# Allegro board pc051c_toplevel_209edited.brd (continued)
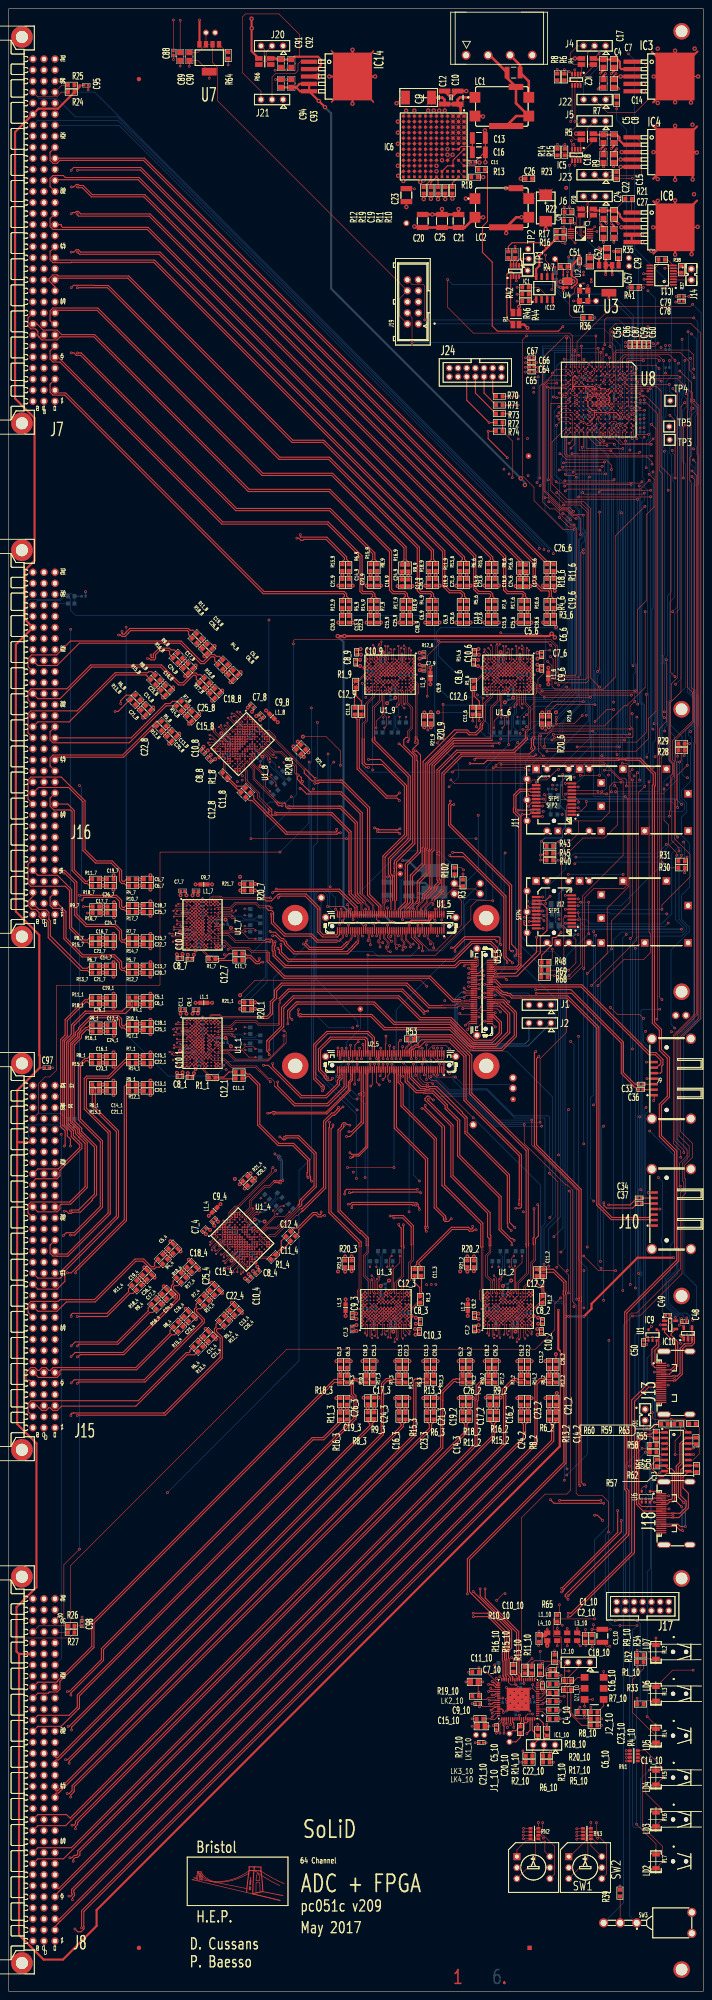
[diagram p0: board, top side]
## Routing (per net, layer and track width the routed paths; a pad name or vN(x,y) marks a point on that pad's centre or on a via; arc(x,y) is an arc through that point) (continued)
P1V8: length 68.3
  TOP w0.13: U1_6.G9 v4(115,299.75) U1_6.G10 v4(115,298.95) ; v4(48.65,218.15) U1_1.G10 v4(47.85,218.15) U1_1.G9 ; v4(115.05,161) U1_2.G10 v4(115.05,160.2) U1_2.G9 ; v4(87.85,298.95) U1_9.G10 v4(87.85,299.75) U1_9.G9 ; U1_7.G9 v4(47.85,245.4) U1_7.G10 v4(48.65,245.4) ; v4(56.63,175.83) U1_4.G10 v4(56.06,175.26) U1_4.G9 ; v4(56.68,284.17) U1_8.G10 v4(56.11,284.74) U1_8.G9 ; L4_10.1 v1(124.05,83.35) ; v4(86.9,161) U1_3.G10 v4(86.9,160.2) U1_3.G9 ; IC7.4 v1(135.5,404.95) ; C10_10.2 v1(122.15,82.8)
  TOP w0.25: R21_2.2 v2(105.65,169.1) ; R20_8.2 v2(67.99,284.03) ; L1_1.2 v2(46.85,227.45) ; L1_8.2 v2(61.98,292.02) ; L1_6.2 v2(124.3,300.75) ; R20_9.2 v2(95.75,290.85) ; R21_1.2 v2(56.75,227.55) ; R21_9.2 v2(97.25,290.85) ; R20_7.2 v2(56.75,253.3) ; R20_6.2 v2(122.9,290.77) ; L1_7.2 v2(46.85,254.7) ; R21_3.2 v2(77.5,169.1) ; R21_7.2 v2(56.75,254.8) ; R20_4.2 v2(56.77,187.14) ; L1_3.2 v2(77.6,159.2) ; L1_4.2 v2(48.78,181.13) ; R20_2.2 v2(107.15,169.1) ; L1_2.2 v2(105.75,159.2) ; R20_1.2 v2(56.75,226.05) ; 68.38,285.76 v2(69.05,285.09) ; L1_9.2 v2(97.15,300.75) ; R21_4.2 v2(55.71,188.2) ; R21_6.2 v2(124.4,290.85) ; R20_3.2 v2(79,169.1)
  TOP w0.5: C27.2 v1(139.4,402.45) ; C29.2 v1(137,402.45) ; v3(145.83,404.2) IC8.4 IC8.5 v3(145.9,402.5)
  TOP w1: L4_10.1 123.5,81.95 C10_10.2
  BOTTOM w0.25: v4(87.85,298.95) 87.95,298.85 C3_9.2 ; C4_4.2 56.06,175.33 v4(56.06,175.26) ; v4(56.63,175.83) 56.63,175.97 C3_4.2 ; v4(56.68,284.17) 56.82,284.17 C3_8.2 ; v4(48.65,218.15) 48.75,218.25 C3_1.2 ; C4_1.2 47.9,218.2 v4(47.85,218.15) ; C4_3.2 86.85,160.25 v4(86.9,160.2) ; v4(115.05,161) 114.95,161.1 C3_2.2 ; C3_6.2 115.1,298.85 v4(115,298.95) ; v4(56.11,284.74) 56.18,284.74 C4_8.2 ; v4(87.85,299.75) 87.9,299.7 C4_9.2 ; v4(115,299.75) 115.05,299.7 C4_6.2 ; C4_2.2 115,160.25 v4(115.05,160.2) ; v4(48.65,245.4) 48.75,245.5 C3_7.2 ; v4(86.9,161) 86.8,161.1 C3_3.2 ; v4(47.85,245.4) 47.9,245.45 C4_7.2
P1V8A: length 221.9
  TOP w0.13: U1_4.K3 v4(53.8,169.61) U1_4.L3 ; U1_4.K3 v4(54.37,170.17) U1_4.L4 v4(55.5,170.17) ; U1_4.K3 v4(53.23,170.17) ; U1_4.K3 v4(53.8,170.74) U1_4.K4 ; v4(111.8,303.75) U1_6.L4 v4(112.6,304.55) U1_6.K3 ; U1_2.L3 v4(117.45,154.6) U1_2.K3 ; v4(117.4,304.55) U1_6.E3 ; v4(117.4,304.55) U1_6.D4 v4(118.2,304.55) U1_6.D3 ; v4(117.4,304.55) U1_6.E4 v4(116.6,304.55) U1_6.E3 ; v4(117.4,304.55) U1_6.D3 ; U1_6.E3 v4(117.4,305.35) U1_6.D3 ; U1_7.E3 v4(42.25,247.8) U1_7.D3 ; U1_7.E3 v4(43.05,247.8) ; U1_7.E3 v4(43.05,247) U1_7.E4 v4(43.05,247.8) ; v4(84.5,155.4) U1_3.E4 v4(85.3,155.4) U1_3.E3 ; v4(84.5,155.4) U1_3.D4 v4(83.7,155.4) U1_3.D3 ; v4(84.5,155.4) U1_3.E3 ; v4(84.5,155.4) U1_3.D3 ; v4(43.05,220.55) U1_1.D4 v4(43.05,221.35) U1_1.D3 ; v4(43.05,220.55) U1_1.D3 ; v4(43.05,220.55) U1_1.E3 ; v4(43.05,220.55) U1_1.E4 v4(43.05,219.75) U1_1.E3 ; U1_1.D3 v4(42.25,220.55) U1_1.E3 ; U1_8.E3 v4(53.85,289.26) U1_8.E4 v4(54.42,289.83) ; U1_8.E3 v4(53.85,290.39) U1_8.D3 ; U1_8.E3 v4(54.42,289.83) ; U1_3.K4 v4(88.5,155.4) U1_3.K3 ; U1_2.K3 v4(116.65,154.6) ; U1_2.K3 v4(117.45,155.4) U1_2.L4 v4(118.25,156.2) ; U1_2.K3 v4(116.65,155.4) U1_2.K4 ; U1_2.D3 v4(112.65,154.6) U1_2.E3 ; U1_2.D3 v4(112.65,155.4) ; U1_2.D3 v4(111.85,155.4) U1_2.D4 v4(112.65,155.4) ; U1_3.K3 v4(89.3,155.4) U1_3.L4 v4(90.1,156.2) ; U1_3.K3 v4(88.5,154.6) ; U1_3.K3 v4(89.3,154.6) U1_3.L3 ; v4(90.25,304.55) U1_9.D3 ; v4(90.25,304.55) U1_9.E4 v4(89.45,304.55) U1_9.E3 ; v4(90.25,304.55) U1_9.E3 ; v4(90.25,304.55) U1_9.D4 v4(91.05,304.55) U1_9.D3 ; U1_9.D3 v4(90.25,305.35) U1_9.E3 ; U1_4.E3 v4(51.54,173) U1_4.E4 v4(50.97,173.57) ; U1_4.E3 v4(50.97,173.57) ; U1_4.E3 v4(50.41,173) U1_4.D3 ; U1_1.L3 v4(42.25,215.75) U1_1.K3 ; v4(112.65,155.4) U1_2.E3 ; v4(112.65,155.4) U1_2.E4 v4(113.45,155.4) U1_2.E3 ; U1_9.L3 v4(85.45,305.35) U1_9.K3 ; U1_3.E3 v4(84.5,154.6) U1_3.D3 ; U1_1.K4 v4(43.05,216.55) U1_1.K3 ; v4(50.97,173.57) U1_4.D4 v4(50.41,174.13) U1_4.D3 ; v4(50.97,173.57) U1_4.D3 ; U1_6.K3 v4(113.4,305.35) ; U1_6.K3 v4(112.6,305.35) U1_6.L3 ; U1_6.K3 v4(113.4,304.55) U1_6.K4 ; U1_8.K3 v4(51.02,286.43) U1_8.L4 v4(51.02,285.3) ; U1_8.K3 v4(51.59,287) U1_8.K4 ; U1_8.K3 v4(51.02,287.57) ; U1_8.K3 v4(50.46,287) U1_8.L3 ; U1_9.K3 v4(86.25,305.35) ; U1_9.K3 v4(86.25,304.55) U1_9.K4 ; U1_9.K3 v4(85.45,304.55) U1_9.L4 v4(84.65,303.75) ; U1_7.D3 v4(43.05,247.8) ; U1_7.D3 v4(43.05,248.6) U1_7.D4 v4(43.05,247.8) ; U1_1.K3 v4(43.05,215.75) U1_1.L4 v4(43.85,214.95) ; U1_1.K3 v4(42.25,216.55) ; v4(54.42,289.83) U1_8.D4 v4(54.98,290.39) U1_8.D3 ; v4(54.42,289.83) U1_8.D3 ; U1_7.K4 v4(43.05,243.8) U1_7.K3 ; U1_7.K3 v4(42.25,243) U1_7.L3 ; U1_7.K3 v4(42.25,243.8) ; U1_7.K3 v4(43.05,243) U1_7.L4 v4(43.85,242.2)
  TOP w0.25: C10_8.2 45.65,285.52 v2(45.86,285.52) ; v2(47.56,283.54) 47.17,283.15 C8_8.2 ; C8_7.2 42.65,237.95 v2(42.65,238.5) ; v2(80.95,304.95) 80.4,304.95 C8_9.2 ; C9_4.2 v2(48.21,177.1) ; v2(93.8,155) 94.35,155 C8_3.2 ; v2(46.38,175.19) 45.99,175.58 C7_4.2 ; C7_2.2 107.7,153.3 v2(108.25,153.3) ; v2(55.28,165.01) 55.28,164.8 C10_4.2 ; L1_4.1 v2(46.09,178.44) ; v2(80.1,153.3) 79.55,153.3 C7_3.2 ; L1_9.1 v2(97.15,304.55) ; C10_1.2 39.9,211.3 v2(40.05,211.45) ; L1_8.1 v2(59.29,294.71) ; v2(93.6,152.4) 93.75,152.25 C10_3.2 ; C9_3.2 v2(80.05,155.95) ; v2(121.8,306.65) 122.35,306.65 C7_6.2 ; L1_7.1 v2(43.05,254.7) ; C8_6.2 107.55,304.95 v2(108.1,304.95) ; C7_1.2 40.95,225.5 v2(40.95,224.95) ; v2(42.65,211.25) 42.65,210.7 C8_1.2 ; C7_7.2 40.95,252.75 v2(40.95,252.2) ; v2(57.26,166.71) 57.65,166.32 C8_4.2 ; C9_2.2 v2(108.2,155.95) ; v2(121.95,155) 122.5,155 C8_2.2 ; C9_9.2 v2(94.7,304) ; v2(81.15,307.55) 81,307.7 C10_9.2 ; C7_9.2 95.2,306.65 v2(94.65,306.65) ; L1_3.1 v2(77.6,155.4) ; v2(121.75,152.4) 121.9,152.25 C10_2.2 ; C9_6.2 v2(121.85,304) ; C10_7.2 39.9,238.55 v2(40.05,238.7) ; L1_6.1 v2(124.3,304.55) ; v2(56.04,294.42) 56.43,294.81 C7_8.2 ; v2(108.3,307.55) 108.15,307.7 C10_6.2 ; C9_7.2 v2(43.6,252.25) ; L1_1.1 v2(43.05,227.45) ; L1_2.1 v2(105.75,155.4) ; 58.62,293.26 v2(57.95,292.59) ; C9_1.2 v2(43.6,225)
  L5 w0.129: 9.64,77.62 J8.C27 ; J8.C27 11.7,77.62 ; J8.C27 10.67,76.59 ; J8.C27 10.67,78.65 ; J16.C27 10.67,314.85 ; J16.C27 10.67,312.79 ; J16.C27 11.7,313.82 ; J16.C27 9.64,313.82 ; 10.67,430.89 J7.C27 ; J7.C27 9.64,431.92 ; J7.C27 10.67,432.95 ; J7.C27 11.7,431.92 ; J15.C27 10.67,196.75 ; J15.C27 10.67,194.69 ; J15.C27 9.64,195.72 ; J15.C27 11.7,195.72
  BOTTOM w0.13: v4(51.02,287.57) v4(50.46,287) ; v4(51.02,287.57) v4(51.59,287) v4(51.02,286.43) v4(50.46,287) ; v4(51.02,287.57) 51.02,288.13 C28_8.2 C2_8.2 ; v4(51.02,287.57) 50.17,287.57 C2_8.2 ; v4(50.46,287) 50,287.46 C2_8.2 ; v4(42.25,243.8) 41.85,244.2 C28_7.2 C2_7.2 ; v4(42.25,243.8) v4(43.05,243.8) v4(43.05,243) v4(42.25,243) ; v4(42.25,243.8) 41.65,243.2 C2_7.2 ; v4(42.25,243.8) v4(42.25,243) ; v4(53.23,170.17) v4(53.8,169.61) ; v4(53.23,170.17) v4(53.8,170.74) v4(54.37,170.17) v4(53.8,169.61) ; v4(53.23,170.17) 53.23,169.32 C2_4.2 ; v4(53.23,170.17) 52.67,170.17 C28_4.2 C2_4.2 ; v4(53.8,169.61) 53.34,169.15 C2_4.2 ; C2_3.2 89.3,153.95 v4(89.3,154.6) ; C2_3.2 C28_3.2 88.1,154.2 v4(88.5,154.6) ; C2_3.2 89.1,154 v4(88.5,154.6) ; v4(42.25,215.75) v4(43.05,215.75) v4(43.05,216.55) v4(42.25,216.55) ; v4(42.25,215.75) v4(42.25,216.55) ; v4(42.25,215.75) 41.6,215.75 C2_1.2 ; C1_7.2 41.85,248.2 v4(42.25,247.8) ; v4(42.25,243) 41.6,243 C2_7.2 ; C2_9.2 C28_9.2 86.65,305.75 v4(86.25,305.35) ; C2_9.2 85.65,305.95 v4(86.25,305.35) ; C2_9.2 85.45,306 v4(85.45,305.35) ; R2_2.2 v4(113.45,157) ; v4(90.25,305.35) 90.65,305.75 C1_9.2 ; C1_1.2 41.85,220.95 v4(42.25,220.55) ; C2_2.2 117.25,154 v4(116.65,154.6) ; C2_2.2 C28_2.2 116.25,154.2 v4(116.65,154.6) ; C2_2.2 117.45,153.95 v4(117.45,154.6) ; C1_2.2 112.25,154.2 v4(112.65,154.6) ; C1_8.2 53.85,290.96 v4(53.85,290.39) ; v4(117.45,154.6) v4(117.45,155.4) v4(116.65,155.4) v4(116.65,154.6) ; v4(117.45,154.6) v4(116.65,154.6) ; R2_7.2 v4(44.65,247) ; v4(113.4,305.35) v4(112.6,305.35) ; v4(113.4,305.35) 113.8,305.75 C28_6.2 C2_6.2 ; v4(113.4,305.35) 112.8,305.95 C2_6.2 ; v4(113.4,305.35) v4(113.4,304.55) v4(112.6,304.55) v4(112.6,305.35) ; v4(112.6,305.35) 112.6,306 C2_6.2 ; v4(90.1,156.2) C27_3.2 ; v4(118.25,156.2) C27_2.2 ; v4(111.8,303.75) C27_6.2 ; v4(88.5,154.6) v4(89.3,154.6) ; v4(88.5,154.6) v4(88.5,155.4) v4(89.3,155.4) v4(89.3,154.6) ; C2_1.2 41.65,215.95 v4(42.25,216.55) ; C2_1.2 C28_1.2 41.85,216.95 v4(42.25,216.55) ; v4(86.25,305.35) v4(85.45,305.35) ; v4(86.25,305.35) v4(86.25,304.55) v4(85.45,304.55) v4(85.45,305.35) ; R2_4.2 v4(52.67,174.13) ; R2_6.2 v4(116.6,302.95) ; C1_4.2 49.84,173 v4(50.41,173) ; C1_6.2 117.8,305.75 v4(117.4,305.35) ; v4(43.85,214.95) C27_1.2 ; v4(84.65,303.75) C27_9.2 ; R2_9.2 v4(89.45,302.95) ; R2_3.2 v4(85.3,157) ; v4(55.5,170.17) C27_4.2 ; v4(43.85,242.2) C27_7.2 ; v4(84.5,154.6) 84.1,154.2 C1_3.2 ; v4(51.02,285.3) C27_8.2 ; R2_1.2 v4(44.65,219.75) ; R2_8.2 v4(54.98,288.13)
P1V8C: length 74.4
  TOP w0.129: v1(127.14,392.05) 127.09,392 126.55,392 126.2,392.35 126.2,393.15
  TOP w0.13: C65.2 121.75,372.6 v1(121.8,372.65) ; LK17.1 126.46,397.99 126.46,395.96 126.2,395.7 126.2,393.15 ; C67.2 v1(120.9,377.05) ; U8.L7 132.94,368.21 ; C64.2 v1(121.85,373.7) ; C66.2 v1(121.63,374.75)
  TOP w0.15: v1(137.95,363.2) 137.5,363.2 137.45,363.25 ; U8.D5 v1(140.9,369.25)
  TOP w0.25: 134.89,363.75 U8.K11 U8.L10 U8.L9 v1(132.9,366.25) U8.L8 133.4,366.96 133.34,367.02 133.34,367.48 133.4,367.54 U8.L7 ; 134.89,363.75 134.89,363.25 ; 134.89,363.75 U8.J11 ; v1(140.9,362.25) U8.D12 139.9,363.25 134.89,363.25 ; 134.89,363.25 134.89,362.24 U8.K13 v1(133.9,361.25) ; 130,369.15 130,369.5 129.94,369.56 129.94,371.29 U8.P3 v1(130.9,371.25) ; 130,369.15 129.86,369.15 v1(129.86,368.3) ; 130,369.15 130.18,369.32 130.21,369.29 132.86,369.29 133,369.15 ; 132.94,368.21 132.94,368.94 133,369 133,369.15 ; 134.95,368.65 135.3,368.65 U8.J6 ; 134.95,368.65 134.5,368.65 U8.K6 ; 134.95,368.65 v1(134.95,369.25) 133.1,369.25 133,369.15
  TOP w0.5: U4.4 v1(127.75,391.32) ; U4.4 v1(127.14,392.05) ; U4.4 U4.5
  L4 w0.13: 129.39,368.3 129.25,368.44
  L4 w0.25: v1(134.95,369.25) 134.95,369.04 135.56,368.43 136.7,368.43 137.52,369.25 v1(140.9,369.25)
  L4 w0.4: 129.25,368.44 121.44,368.44 v1(120.95,367.95)
  L4 w0.5: 121.46,368.44 v1(120.95,368.95) ; v1(129.86,368.3) 129.39,368.3
  BOTTOM w0.129: C68.2 v1(132.9,366.25) ; v1(137.95,363.2) 136.95,364.2 C63.2 ; C62.2 v1(140.9,369.25)
  BOTTOM w0.15: C72.2 134.95,369.25 v1(134.95,369.25) ; v1(130.9,371.25) C74.2 ; C70.2 139.94,367.74 141.39,367.74 141.41,367.76 141.41,368.74 v1(140.9,369.25) ; C69.2 137.95,362.75 v1(137.95,363.2) ; C75.2 132.9,362.25 v1(133.9,361.25) ; v1(140.9,362.25) C76.2
  BOTTOM w0.5: v1(127.14,392.05) 127,392.05 126.17,392.88 126.17,393 126.13,393.03 126.13,393.22 125.8,393.55 C77.2
P2V2: length 118.1
  TOP w0.13: 90.92,419.29 IC6.M11 ; IC6.M11 91.42,418.79 ; IC6.M11 90.92,418.28 ; IC6.M11 90.73,418.79 ; 93.96,425.13 IC6.K6 ; IC6.K6 93.45,424.63 ; IC6.K6 93.45,425.64 ; IC6.K6 92.95,425.13 ; IC6.M9 90.92,420.82 ; IC6.M9 90.92,421.83 ; IC6.M9 91.42,421.32 ; IC6.M9 90.41,421.32 ; 90.92,428.18 IC6.M4 ; IC6.M4 v3(89.64,427.68) ; IC6.M4 90.92,427.17 ; IC6.M4 91.42,427.68 ; 91.42,420.06 IC6.M10 ; IC6.M10 90.92,419.55 ; IC6.M10 90.92,420.56 ; IC6.M10 v3(89.64,420.06) ; 94.72,419.29 94.72,418.79 ; 94.72,418.79 94.22,418.79 ; 94.72,418.79 94.72,418.28 ; 94.72,418.79 95.23,418.79 ; 93.96,423.87 IC6.K7 ; IC6.K7 93.45,423.36 ; IC6.K7 93.45,424.37 ; IC6.K7 92.95,423.87 ; IC6.L7 91.68,423.87 ; IC6.L7 92.19,424.37 ; IC6.L7 92.19,423.36 ; IC6.L7 92.69,423.87 ; IC6.M8 v3(89.64,422.6) ; IC6.M8 90.92,422.09 ; IC6.M8 91.42,422.6 ; IC6.M8 90.92,423.1 ; 92.69,426.4 IC6.L5 ; IC6.L5 91.68,426.4 ; IC6.L5 92.19,426.91 ; IC6.L5 92.19,425.9 ; IC6.L6 91.68,425.13 ; IC6.L6 92.19,425.64 ; IC6.L6 92.69,425.13 ; IC6.L6 92.19,424.63 ; 92.69,427.68 IC6.L4 ; IC6.L4 92.19,428.18 ; IC6.L4 91.68,427.68 ; IC6.L4 92.19,427.17 ; 90.92,425.64 IC6.M6 ; IC6.M6 v3(89.64,425.13) ; IC6.M6 90.92,424.63 ; IC6.M6 91.42,425.13 ; IC6.K2 93.45,429.71 ; IC6.K2 92.95,430.21 ; IC6.K2 93.45,430.72 ; IC6.K2 93.96,430.21 ; 92.19,431.99 IC6.L1 ; IC6.L1 91.68,431.49 ; IC6.L1 92.19,430.98 ; IC6.L1 92.69,431.49 ; IC6.L8 92.19,422.09 ; IC6.L8 91.68,422.6 ; IC6.L8 92.69,422.6 ; IC6.L8 92.19,423.1 ; IC6.L2 92.19,429.71 ; IC6.L2 92.19,430.72 ; IC6.L2 91.68,430.21 ; IC6.L2 92.69,430.21 ; 94.72,426.4 94.72,425.9 ; 94.72,426.4 95.23,426.4 ; 94.72,426.4 94.72,426.91 ; 94.72,426.4 94.22,426.4 ; 93.96,431.49 IC6.K1 ; IC6.K1 92.95,431.49 ; IC6.K1 v3(93.45,432.75) ; IC6.K1 93.45,430.98 ; IC6.K3 92.95,428.94 ; IC6.K3 93.45,428.44 ; IC6.K3 93.96,428.94 ; IC6.K3 93.45,429.45 ; 94.72,423.1 94.72,422.6 ; 94.72,422.6 94.72,422.09 ; 94.72,422.6 94.22,422.6 ; 94.72,422.6 95.23,422.6 ; IC6.M1 90.92,430.98 ; IC6.M1 91.42,431.49 ; IC6.M1 90.92,431.99 ; IC6.M1 90.41,431.49 ; IC6.K8 92.95,422.6 ; IC6.K8 93.45,422.09 ; IC6.K8 93.96,422.6 ; IC6.K8 93.45,423.1 ; IC6.K4 92.95,427.68 ; IC6.K4 93.45,427.17 ; IC6.K4 93.45,428.18 ; IC6.K4 93.96,427.68 ; 95.23,430.21 94.72,430.21 ; 94.72,430.21 94.72,430.72 ; 94.72,430.21 94.72,429.71 ; 94.72,430.21 94.22,430.21 ; 94.72,420.06 94.72,419.55 ; 94.72,420.06 94.22,420.06 ; 94.72,420.06 95.23,420.06 ; 94.72,420.06 94.72,420.56 ; 94.72,423.87 94.72,423.36 ; 94.72,423.87 94.72,424.37 ; 94.72,423.87 94.22,423.87 ; 94.72,423.87 95.23,423.87 ; 95.23,425.13 94.72,425.13 ; 94.72,425.13 94.22,425.13 ; 94.72,425.13 94.72,425.64 ; 94.72,425.13 94.72,424.63 ; 94.72,421.32 94.22,421.32 ; 94.72,421.32 94.72,421.83 ; 94.72,421.32 95.23,421.32 ; 94.72,421.32 94.72,420.82 ; 94.72,431.49 94.72,430.98 ; 94.72,431.49 95.23,431.49 ; 94.72,431.49 94.22,431.49 ; 94.72,431.49 94.72,431.99 ; 90.73,418.79 v3(89.7,417.75) ; 90.73,418.79 90.41,418.79 ; R11.2 C19.2 ; IC6.K5 92.95,426.4 ; IC6.K5 93.96,426.4 ; IC6.K5 93.45,425.9 ; IC6.K5 93.45,426.91 ; 93.45,421.83 IC6.K9 ; IC6.K9 93.96,421.32 ; IC6.K9 93.45,420.82 ; IC6.K9 92.95,421.32 ; 94.72,428.94 94.72,428.44 ; 94.72,428.94 94.22,428.94 ; 94.72,428.94 94.72,429.45 ; 94.72,428.94 95.23,428.94 ; 91.42,428.94 IC6.M3 ; IC6.M3 90.92,428.44 ; IC6.M3 90.92,429.45 ; IC6.M3 90.41,428.94 ; 92.19,429.45 IC6.L3 ; IC6.L3 91.68,428.94 ; IC6.L3 92.69,428.94 ; IC6.L3 92.19,428.44 ; IC6.M7 90.41,423.87 ; IC6.M7 90.92,423.36 ; IC6.M7 91.42,423.87 ; IC6.M7 90.92,424.37 ; 92.19,420.56 IC6.L10 ; IC6.L10 91.68,420.06 ; IC6.L10 92.19,419.55 ; IC6.L10 92.69,420.06 ; 94.72,428.18 94.72,427.68 ; 94.72,427.68 94.22,427.68 ; 94.72,427.68 94.72,427.17 ; 94.72,427.68 95.23,427.68 ; 92.19,421.83 IC6.L9 ; IC6.L9 91.68,421.32 ; IC6.L9 92.19,420.82 ; IC6.L9 92.69,421.32 ; 93.96,418.79 IC6.K11 ; IC6.K11 93.45,418.28 ; IC6.K11 92.95,418.79 ; IC6.K11 93.45,419.29 ; 90.92,426.91 IC6.M5 ; IC6.M5 91.42,426.4 ; IC6.M5 90.92,425.9 ; IC6.M5 90.41,426.4 ; v1(93.45,414.75) 93.4,414.8 C23.2 ; IC6.K10 93.45,419.55 ; IC6.K10 92.95,420.06 ; IC6.K10 93.45,420.56 ; IC6.K10 93.96,420.06 ; 92.19,419.29 IC6.L11 ; IC6.L11 92.69,418.79 ; IC6.L11 92.19,418.28 ; IC6.L11 91.68,418.79 ; IC6.M2 v3(89.64,430.21) ; IC6.M2 90.92,429.71 ; IC6.M2 91.42,430.21 ; IC6.M2 90.92,430.72
  TOP w0.25: v3(98.9,412.4) C19.2 ; v3(100.55,412.4) R11.2 ; R12.1 v3(95.6,412.4)
  TOP w0.6: v3(103.61,410.09) C21.2 101.36,408.86 101.14,408.64 100.37,408.64 100.16,408.86 C25.2 ; v3(105.3,412.5) LC2.1 ; v3(99.81,410.09) C25.2 ; C25.2 v3(97.58,408.86) C20.2
  L5 w0.129: 90.79,406.85 LK13.1 ; LK13.1 91.6,407.66 ; LK13.1 92.41,406.85 ; LK13.1 91.6,406.04
  vias: v3(91.55,432.75)
P2V2_FILTERED: length 35
  TOP w0.129: 130.87,409.77 R20.1 ; R20.1 130.87,410.43 ; R20.1 130.87,410.76 ; R20.1 131.93,410.83 ; R20.1 132.45,410.8 ; 122.06,414.77 C28.1 ; C28.1 122.06,413.4 ; C28.1 125.34,414.77 ; C28.1 125.34,412.03 ; C28.1 123.7,414.8 ; C28.1 123.7,412 ; C28.1 122.06,412.03 ; LC2.2 119.8,413.93 ; LC2.2 121.23,413.93 ; LC2.2 118.37,412.5 ; LC2.2 118.37,413.93 ; LC2.2 120.51,413.93 ; 120.55,416.42 C26.2 ; C26.2 121.17,416.76 ; C26.2 121.17,417.44 ; C26.2 121.16,416.42 ; C26.2 120.24,416.42
  TOP w0.13: 121.18,417.1 C26.2 ; 130.87,410.1 R20.1 ; 121.23,412.5 LC2.2 ; 125.34,413.4 C28.1
P2V5: length 35.9
  TOP w0.129: v1(152.25,153.85) 151.8,154.3 IC9.1 151.05,155.25 C49.2 ; C48.2 155.2,154.5 155,154.7 v1(155,154.78)
  TOP w0.13: U2_5.2 U2_5.4 ; U2_5.4 99.75,214.4 ; U2_5.4 v1(99.75,217.03) ; v1(156.65,390) C79.2 C78.2 ; 99.75,214.4 100.08,214.4 100.25,214.57 ; 99.75,214.4 99.04,214.4 ; v1(97.85,217.1) 98.25,216.7 U2_5.10 ; U2_5.8 v1(98.75,217.05) ; U1_5.10 98.25,246.45 v1(98.2,246.4)
  TOP w0.18: U2_5.2 100.25,214.57 ; U2_5.8 98.75,214.69 99.04,214.4 ; v1(98.2,246.4) 97.75,246.85 U1_5.12 ; U1_5.10 v1(98.25,249.03)
  TOP w0.25: IC10.1 155.5,150.25 v2(154.9,150.85)
  TOP w0.5: v3(140.97,421.5) IC4.4 ; v3(140.97,419.8) IC4.5 ; C18.2 v1(137,419.8) ; C15.2 139.4,419.95 v1(139.3,419.85)
  BOTTOM w0.13: C81.2 C80.2 94.4,248.45 C83.2 C82.2 96.7,247.9 v1(98.2,246.4)
P3V3: length 1023.7
  TOP w0.129: U1.1 147.35,149.75 C50.2 146.25,150.1 146.65,150.5 147.22,150.5 v1(147.23,150.5)
  TOP w0.13: 126.35,84.8 v1(126.35,83.5) L2_10.1 ; 126.35,84.8 126.95,84.8 v1(127.5,84.25) ; 126.35,84.8 R65.2 ; v1(127.9,406) 127.3,406 R17.2 ; IC7.3 132.95,404.45 v1(132.55,404.85) ; R28.1 155.75,284.5 v1(155.6,284.35) ; v1(147.23,150.5) 147.23,150.43 147.36,150.3 U1.1 ; 1.8,81.3 13.9,81.3 R27.2 R26.2 16.85,84.1 C98.2 ; IC5.4 129.78,424.67 129.6,424.85 v1(129.6,425.85) ; R23.2 127.95,409.55 v1(127.95,410.55) ; 134.7,83.3 v1(134.7,84.35) ; 134.7,83.3 134.4,83.3 v1(134.35,83.25) C2_10.2 ; 134.7,83.3 C3_10.2 v1(138.6,83.3) ; R15.2 v1(128.1,424.95) ; IC2.4 129.7,441.15 v1(129.1,441.75) ; IC7.10 129.5,403.25 v1(130.45,402.3) ; L1_10.1 v1(128.65,83.5) ; R16.2 127.45,402.2 v1(128.15,402.2) ; v1(130.95,83.45) L3_10.1 131.5,81.95 C1_10.2 v1(132.85,83.25) ; R30.1 155.75,257.45 v1(155.7,257.4) ; 16.35,438.6 R25.2 ; R22.2 v1(127.95,408.4)
  TOP w0.25: 126.93,136.3 127.06,136.43 127.06,147.29 126.95,147.4 ; 117.58,394.55 IC12.8 ; v1(122.5,260.3) 123.85,260.3 R40.2 ; R68.2 122.65,234.95 R69.2 122.7,236.7 R48.2 122.75,238.4 125.2,240.85 125.2,242.35 125.33,242.48 126.06,242.48 127.18,243.6 v1(127.22,243.6) ; R67.2 115.1,401.5 115.95,402.35 122.6,402.35 123.9,401.05 ; C97.2 7.15,212.5 ; R43.2 122.8,264.65 v1(122.75,264.65) ; v1(122.5,261.45) 122.8,261.45 123.2,261.85 R45.2 ; C95.2 16.35,438.6
  TOP w0.5: C14.2 140.2,438.1 v1(140.55,437.75) ; 16.35,438.6 16.35,438.2 R24.2 11.35,433.2 6.87,433.2 J7.A27 1.47,427.8 1.47,366.5 5.96,362.01 5.96,329.21 3.78,327.03 3.78,315.63 J16.A27 1.65,309.88 1.65,248.45 7.05,243.05 7.05,215.4 7.15,215.3 7.15,212.5 1.95,207.3 1.95,195.37 ; 2.38,77.62 J8.A27 ; 2.38,77.62 2.38,12.97 8.05,7.3 12.5,7.3 20.25,15.05 20.25,18.7 126.93,125.38 126.93,136.3 ; 2.38,77.62 1.8,78.2 1.8,88.4 6.4,93 6.4,126.07 1.95,130.52 1.95,195.37 ; IC3.5 v3(146.3,437.2) ; 1.95,195.37 5.24,195.37 J15.A27 ; C17.2 136.15,438.1 v1(135.75,437.7) ; 126.95,147.4 126.6,147.75 v1(126.6,156.75) ; v1(153.15,168.8) 144.85,168.8 134.25,158.2 134.25,157.05 v1(132.5,155.3) ; R16.2 122.25,399.4 122.25,397.05 121.5,396.3 IC12.8 ; IC3.4 v3(146.3,438.9)
  L3 w0.5: J24.2 115.26,373.27 115.26,376.15 112.45,378.96 112.45,399.88 118.47,405.9 121.23,405.9 125.2,409.87 126.41,409.87 126.91,410.37 126.91,413.47 v2(128.41,414.97) ; v1(126.6,156.75) 126.6,157.05 127.1,157.55 127.7,157.55 128.95,156.3 v1(128.95,155.3)
  L5 w0.129: 140.05,88.66 J17.2 ; J17.2 139.11,89.6 ; J17.2 140.99,89.6 ; SW2.C1 129,29.44 ; SW2.C1 129.98,28.46 ; SW2.C1 128.02,28.46 ; SW2.C1 129,27.48 ; SW1.C1 117.05,29.44 ; SW1.C1 116.07,28.46 ; SW1.C1 118.03,28.46 ; SW1.C1 117.05,27.48 ; 136.62,27.48 SW2.C2 ; SW2.C2 136.62,29.44 ; SW2.C2 137.6,28.46 ; SW2.C2 135.64,28.46 ; 155.01,224.55 LK8.1 ; LK8.1 156,225.54 ; LK8.1 156,223.56 ; SW1.C2 124.67,29.44 ; SW1.C2 123.69,28.46 ; SW1.C2 125.65,28.46 ; SW1.C2 124.67,27.48
  BOTTOM w0.13: J15.A27 4.5,196.81 4.5,199.32 4.55,199.37 11.23,199.37 12.2,198.4 14.45,198.4 R50.2 R49.2 ; J16.A27 4.35,315.06 4.35,319.85 4.75,320.25 11.68,320.25 13.12,321.69 14.46,321.69 R51.2 R52.2 ; v1(155.45,264.45) 155.7,264.2 v1(155.7,257.4)
  BOTTOM w0.25: 129.45,244.4 v1(154.95,244.4) ; 129.45,244.4 128.6,244.4 127.75,245.25 L5.2 ; 129.45,244.4 C42.2 ; v1(122.5,260.3) v1(122.5,261.45) 122.5,264.4 v1(122.75,264.65) 123.5,265.4 127.4,265.4 127.56,265.56 127.56,267.13 128.25,267.82 128.25,271.6 127.1,272.75 L2.1 126.55,272.93 127.1,273.48 127.1,274.23 ; C40.2 126.75,252.6 L3.1 126.75,249.23 126,248.48 126,248.46 125.95,248.41 125.95,247.19 126,247.14 126,246 L5.2 ; L5.2 126.75,244.31 127.22,243.84 v1(127.22,243.6) ; 127.1,275.45 127.1,277.4 C30.2 127.25,278.25 C31.2 ; 127.1,275.45 127.1,274.23 ; 127.1,275.45 127,275.45 L4.2 ; 127.1,274.23 130.79,274.23 130.9,274.35 153.75,274.35 v1(155,273.1) ; C96.2 R51.2
  BOTTOM w0.5: v1(128.95,155.3) v1(132.5,155.3)
P3V3_FPGA: length 331.7
  TOP w0.13: 96.75,247.36 97.01,247.36 97.25,247.6
  TOP w0.3: U1_5.14 97.25,246.6 96.9,246.25 96.75,246.4 U1_5.16
  TOP w0.4: v1(88.4,246.07) 88.83,246.07 89.11,245.79 91.29,245.79 91.55,246.05 92.45,246.05 92.8,246.4 96.75,246.4
  TOP w0.5: v1(87.85,246.07) v1(88.4,246.07) ; 66.21,438.1 67.11,437.2 IC14.5 ; 66.21,438.1 67.01,438.9 IC14.4 IC14.5 ; 66.21,438.1 C93.2 C94.2 ; v3(125.8,311.52) 125.65,311.67 125.65,311.85 125.11,312.39 v3(125.06,312.39) 124.5,311.83 v3(77.32,311.83) v3(75.78,311.83) ; IC14.5 v3(71.42,434.98) v3(72.85,433.55)
  L4 w0.5: v3(125.06,312.39) 125.15,312.39 125.65,311.89 125.65,311.67 v3(125.8,311.52) 125.85,311.47 125.85,309.81 125.88,309.78 125.88,309.22 125.85,309.19 125.85,302.85 126.42,302.28 126.45,302.28 126.97,301.76 127.17,301.76 127.17,301.75 129.2,301.75 130,302.55 130,329.81 129.87,329.94 129.87,332.38 129.87,332.74 130,332.87 130,334.55 118.9,345.65 v3(118.9,346.6) 118.9,347.15 v3(117.95,348.1)
  BOTTOM w0.3: v1(87.85,246.07) v1(88.4,246.07)
  BOTTOM w0.5: v1(87.85,246.07) 87.85,246.25 86.45,247.65 79.12,247.65 78.33,248.43 78.27,248.43 77.1,249.6 77.1,310.52 v3(75.78,311.83) v3(77.32,311.83) ; v3(71.42,434.98) v3(72.85,433.55) 74.27,432.13 74.27,391.78 v3(117.95,348.1) 118.9,347.15 v3(118.9,346.6)
P3V3C: length 55
  TOP w0.129: R36.2 v1(135,385.1)
  TOP w0.13: R41.2 v1(142.6,392.05) ; v1(151,391.9) 152.41,393.31 IC11.2 ; U6.1 v1(145.82,113.3) ; 134.19,393.95 v1(134.19,393.36) ; C56.2 v1(142.1,379.4) ; v1(144.3,382.35) 144.2,382.25 C86.2 ; 137.9,367.25 v1(137.9,367.3) 137.95,367.3 ; v1(146.95,129.65) 148.15,129.65 149.8,131.3 151.05,131.3 R60.2 R59.1 154.02,131.27 155.6,131.27 155.65,131.22 155.65,129.44 IC13.16 ; C87.2 v1(145.25,380.9) ; v1(146.55,380.9) 146.35,380.7 C59.2 ; v1(148.55,379.1) 148.25,379.4 C60.2 ; QZ1.4 v1(133.4,392.48)
  TOP w0.15: U8.H11 v1(135.9,364.25) ; U8.F4 v1(138.9,370.25)
  TOP w0.25: v1(138.9,368.25) U8.F7 137.95,367.3 ; U8.G6 U8.H6 v1(135.9,369.25) ; U8.F10 v1(137.9,365.25) U8.F9 138.4,365.96 138.46,366.02 138.46,366.48 138.4,366.54 U8.F8 137.9,367.25
  TOP w0.5: U3.3 v1(137.5,395) ; U3.3 U3.2 v1(139,394.95) ; U3.3 137.5,398.9 C57.2
  L5 w0.129: LK14.1 143.71,396.95 ; LK14.1 142.09,396.95 ; LK14.1 142.9,396.14
  BOTTOM w0.13: C58.2 v1(145.45,361.75) C84.2 v1(145.45,359.7) C85.2 ; C55.2 v1(145.5,366.15) ; C61.2 v1(131.35,376.45) ; C54.2 v1(151.3,372.35) ; C53.2 v1(151.3,378.7)
P5V: length 96.1
  TOP w0.13: v1(133.85,399.9) C52.2 ; v1(39.5,453.55) C89.2 ; v1(37.95,453.6) C88.2
  TOP w0.3: 129.69,394.85 130.2,394.33 130.42,394.33 130.94,393.82 130.94,393.08 130.42,392.56 130.31,392.56 129.8,392.05
  TOP w0.5: v3(55.95,453.9) 55.95,446.43 R66.1 ; 129.65,396.85 129.65,397.05 131.2,398.6 C51.2 v1(131.55,399.4) ; 129.65,396.85 R47.2 ; 129.65,396.85 U4.1 129.69,394.85 ; v1(136,398.95) U3.4 ; R35.2 139.35,400.35 v1(139.3,400.4) ; v3(130.7,427.45) R5.1 ; R1.1 v2(117.55,387.65) ; v3(130.41,444.75) R4.1 ; 129.8,392.05 U4.6 ; v1(43.95,453.6) U7.4
  L5 w0.129: 132.42,417.06 J23.3 ; J23.3 132.42,418.94 ; J23.3 131.48,418 ; J23.3 133.36,418 ; 119.4,445.5 J3.4 ; J3.4 120.59,446.69 ; J3.4 120.59,444.31 ; J3.4 121.78,445.5 ; J7.A32 5.59,445.65 ; J7.A32 4.56,444.62 ; J7.A32 6.62,444.62 ; 9.64,444.62 J7.C32 ; J7.C32 11.7,444.62 ; J7.C32 10.67,445.65
  BOTTOM w0.13: J8.C32 10.67,89.29 ; J8.C32 10.67,91.35 ; J8.C32 9.64,90.32 ; 6.62,208.42 J15.A32 ; J15.A32 5.59,207.39 ; J15.A32 4.56,208.42 ; J15.A32 5.59,209.45 ; 6.62,444.62 J7.A32 ; J7.A32 4.56,444.62 ; J7.A32 5.59,445.65 ; 6.62,326.52 J16.A32 ; J16.A32 5.59,327.55 ; J16.A32 5.59,325.49 ; J16.A32 4.56,326.52 ; J15.C32 9.64,208.42 ; J15.C32 10.67,207.39 ; J15.C32 10.67,209.45 ; 11.7,444.62 J7.C32 9.64,444.62 ; J8.A32 4.56,90.32 ; J8.A32 5.59,91.35 ; J8.A32 6.62,90.32 ; J8.A32 5.59,89.29 ; 10.67,327.55 J16.C32 ; J16.C32 10.67,325.49 ; J16.C32 9.64,326.52
  BOTTOM w0.5: v1(129,399.1) 129,398.05 129.2,398.05 ; 130.2,398.05 C71.2 ; 130.2,398.05 v1(130.2,399.25) ; 130.2,398.05 129.2,398.05 ; C73.2 129.2,397.85 129.2,398.05
  vias: v3(56,451.7)
P5V_FPGA: length 11.7
  TOP w0.5: R1.2 118.72,383.52 v2(119.5,382.75)
  BOTTOM w0.13: v1(87.25,256.4) C3.2
  BOTTOM w0.5: v1(90.75,260.2) 92,260.2 94.3,257.9 L1.2
VDD_CLK40: length 24.3
  TOP w0.17: IC1_10.60 119.1,63.31 119.59,63.8 v1(120.65,63.8) ; R10_10.2 120.45,75.44 v1(120.55,75.54) 121.07,76.06 123.18,76.06 123.29,75.95 C23_10.2 v1(126.69,75.95) ; v1(126.35,74.65) 126.35,74.55 C18_10.2 126.1,73.7 R11_10.2 v1(127.25,72.7) ; IC1_10.46 111.8,64.45 v1(111.35,64) ; C21_10.2 v1(109.95,57.2) ; R2_10.2 118.45,54.85 v1(118.45,55.3) ; R5_10.2 124.6,54.95 v1(124.85,55.2) ; v1(113.13,72.4) 113.6,71.93 IC1_10.32 ; C15_10.2 v1(110.65,61) ; R9_10.2 v1(127.05,66.7)